# KiCad board Quiver_PT3_Main_PCB.kicad_pcb (continued)
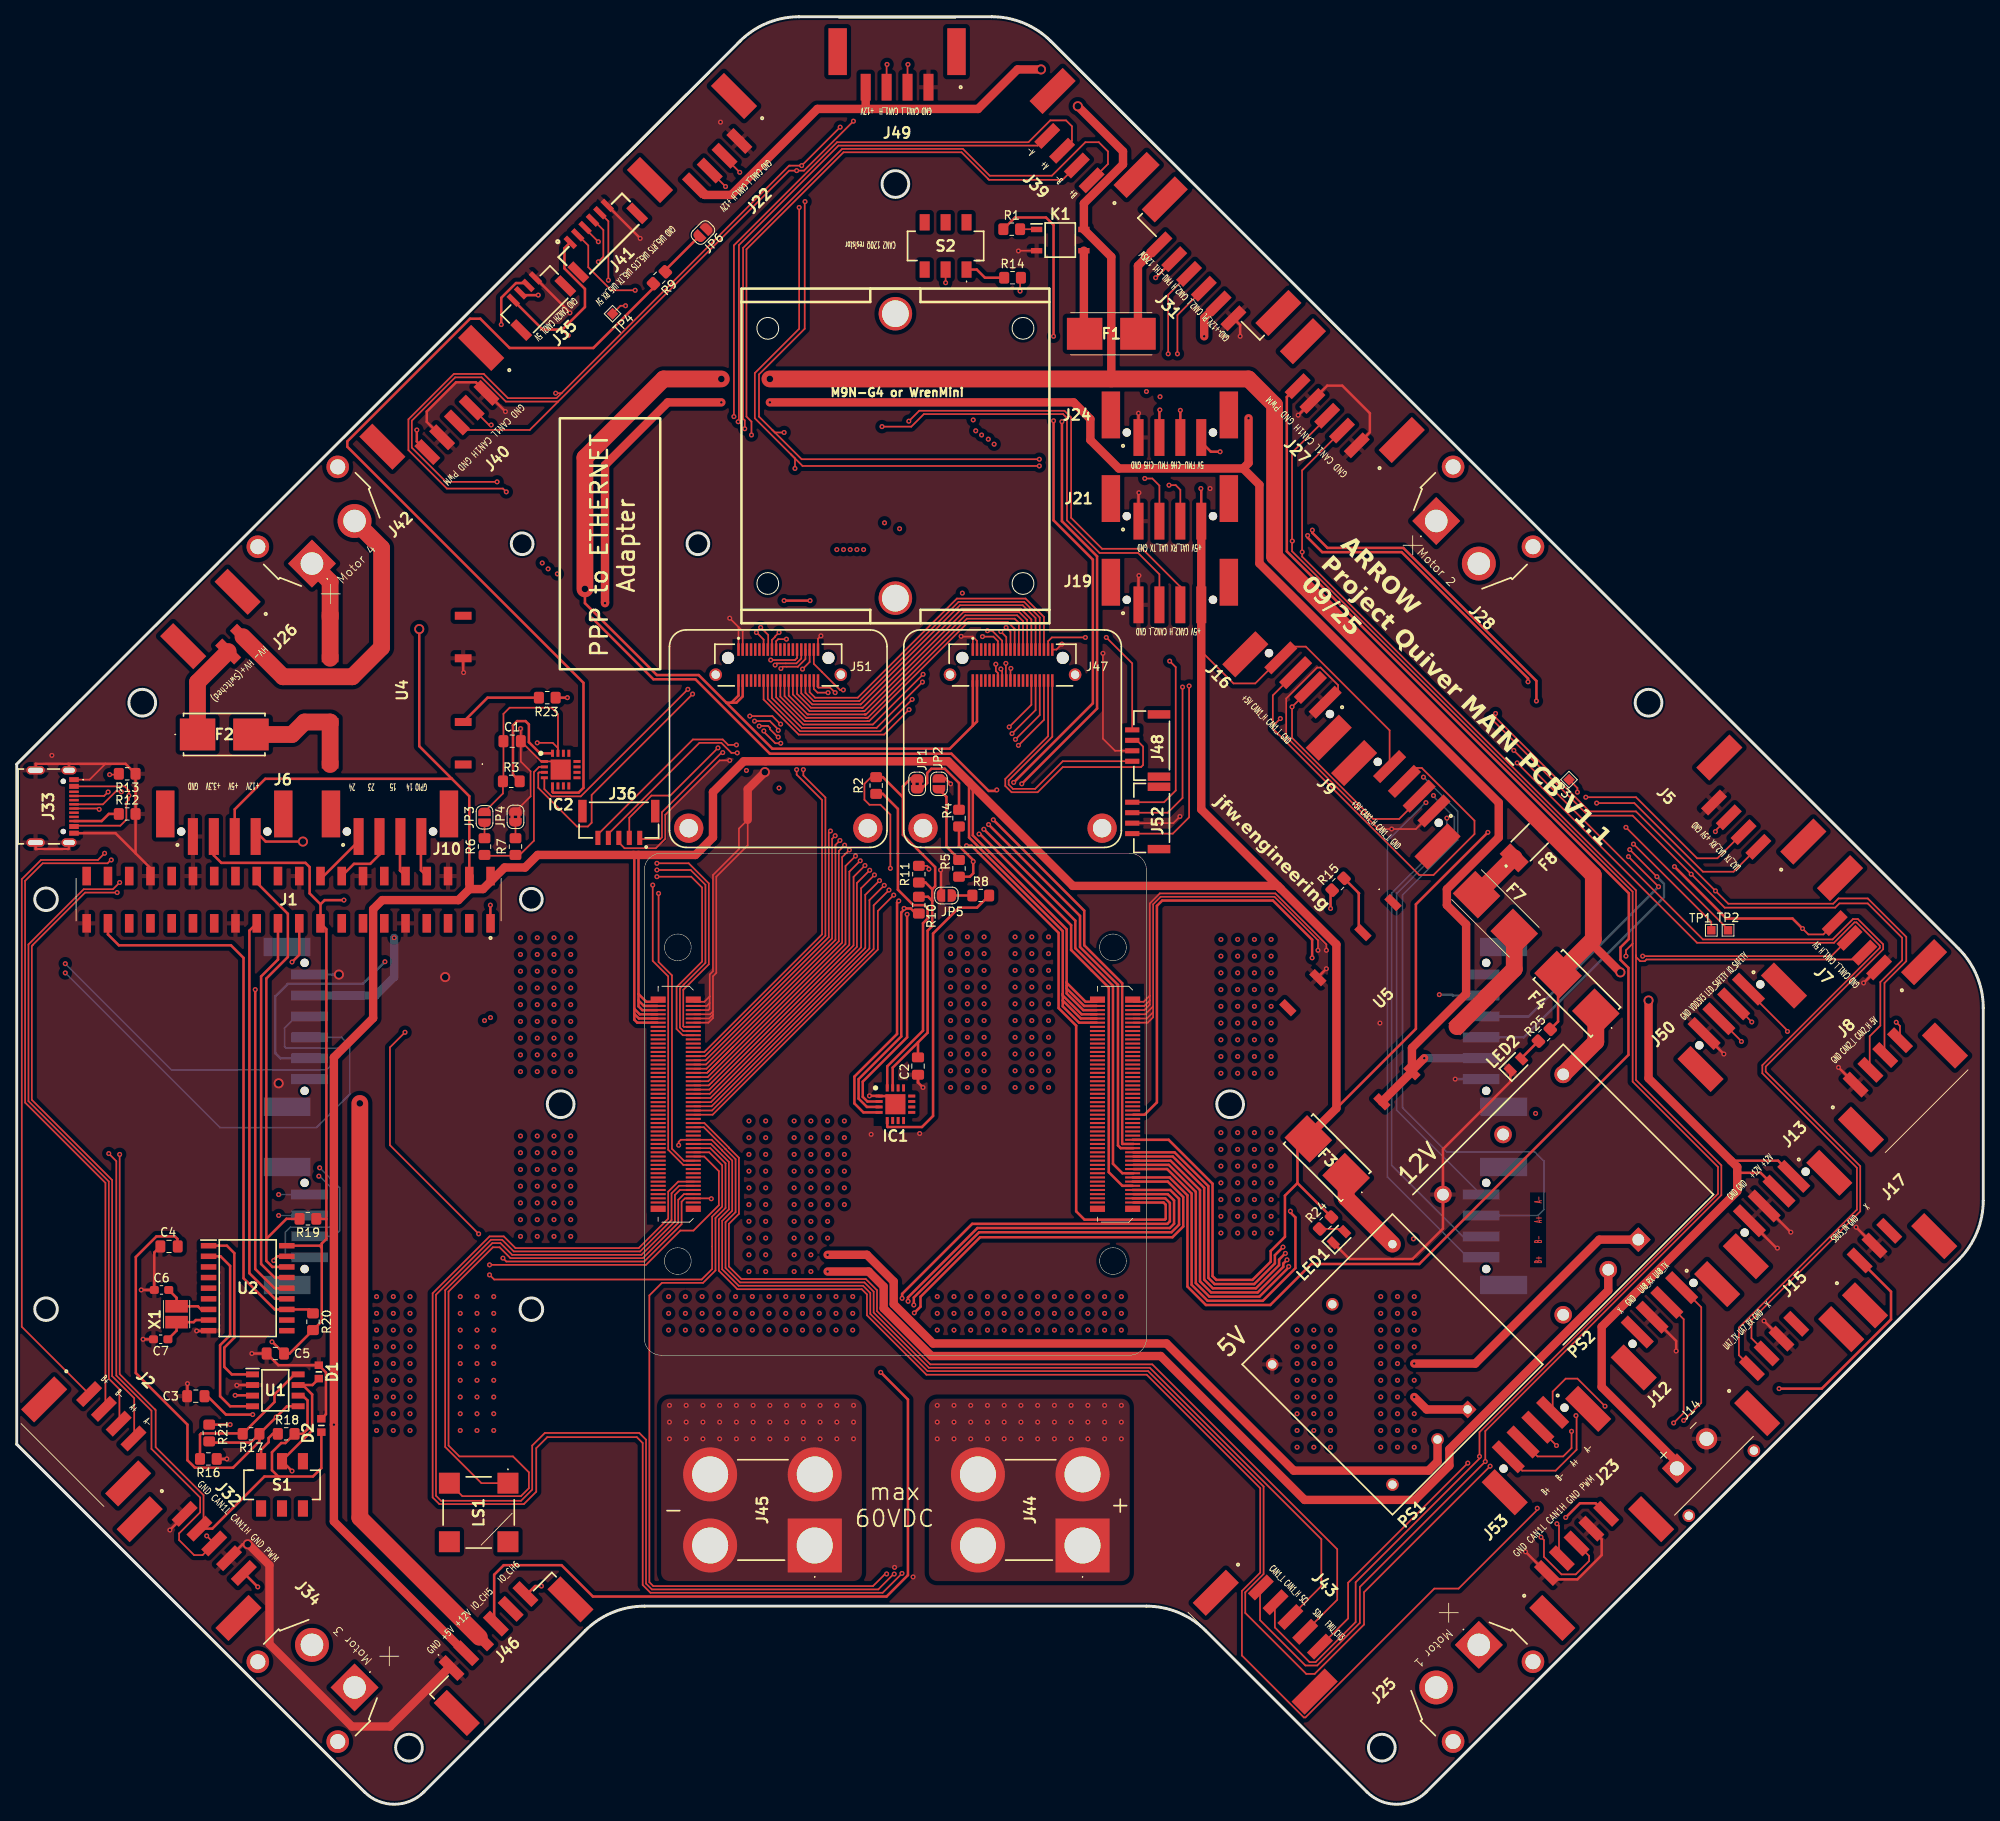
[diagram p0: board, top side]
## Routing (per net, layer and track width the routed paths; a pad name or vN(x,y) marks a point on that pad's centre or on a via; arc(x,y) is an arc through that point) (continued)
/CAN2_H: length 680.8
  Top w0.2: v1(106.6,165.33) 107.85,166.58 125.2,166.58 126,165.78 126,153.78 129.7,150.08 134.5,150.08 139.05,145.53 ; v1(192.6,113.28) v1(196.2,109.68) ; v1(137.6,173.38) 137.6,180.45 J31.4 ; v1(176.71,130.39) 176.71,129.92 187.95,118.68 193.5,118.68 v1(203,109.18) 204.53,107.65 217.07,107.65 217.7,108.28 221.2,108.28 225.8,103.68 225.8,100.78 223.2,98.18 223.2,89.65 J8.3 ; v1(104.8,108.68) 102.9,106.78 102.9,102.17 83.16,82.43 80.95,82.43 ; v1(111,181.88) S2.2
  Top w0.3: J19.3 139.05,145.53 ; 61.12,181.57 J35.3 60.82,181.85 59.66,181.85 57.9,180.08 v1(57.9,176.88)
  In2.Cu w0.2: 104.55,165.43 108,161.98 128.1,161.98 v1(135,168.88) 135.8,168.88 136,169.08 149.57,169.08 150.5,168.15 150.5,158.08 176.71,131.87 v1(176.71,130.39) ; 104.55,165.43 80.3,189.68 70.75,189.68 57.95,176.88 v1(57.9,176.88) 57.9,176.83 51.5,170.43 51.5,164.18 56.4,159.28 56.4,155.98 27,126.58 3.4,126.58 0.8,123.98 0.8,104.38 v1(5.8,99.38) ; 104.55,165.43 104.65,165.33 v1(106.6,165.33) ; v1(192.6,113.28) 113.75,113.28 112.15,114.88 111,114.88 v1(104.8,108.68) ; v1(196.2,109.68) 196.7,109.18 v1(203,109.18)
  In3.Cu w0.2: v1(106.6,165.33) 111,169.73 v1(111,181.88) ; v1(135,168.88) 135.8,168.88 137.6,170.68 v1(137.6,173.38) 137.6,170.48
  Bottom w0.2: J30.4 38.8,91.68 39.8,90.68 39.8,84.88 35.8,80.88 24.3,80.88 v1(5.8,99.38)
  Bottom w0.3: v1(196.2,109.68) 180.7,94.18 J29.4
/CAN2_L: length 678.3
  Top w0.2: v1(192.76,114.12) 195.99,110.88 v1(196,110.88) ; J19.2 136.55,147.03 134,149.58 129.4,149.58 125.5,153.48 125.5,165.72 125.03,166.18 108.4,166.18 106.9,164.68 v1(103.4,164.68) ; v1(176.1,129.88) 187.8,118.18 193.1,118.18 v1(200.1,111.18) 204.1,107.18 217.3,107.18 217.8,107.68 221.2,107.68 225.3,103.58 225.3,100.88 222.7,98.28 222.7,93.08 221.43,91.81 221.43,87.89 J8.2 ; v1(119.9,180.88) 119.9,182.38 R14.2 ; v1(138.7,173.38) 138.7,178.01 J31.3 ; 80.95,82.93 83.09,82.93 102.4,102.24 102.4,107.45 v1(104.23,109.28)
  Top w0.3: 59.94,180.96 J35.2 60.5,180.4 62.32,180.4 v1(62.32,180.41)
  In2.Cu w0.2: v1(200.1,111.18) 199.8,110.88 v1(196,110.88) ; v1(5.8,100.48) 5.8,109.08 3.9,110.98 3.9,123.46 6.62,126.18 27.2,126.18 56.8,155.78 56.8,159.53 51.9,164.43 51.9,170.03 62.25,180.38 ; v1(176.1,129.88) 176.1,131.88 150.1,157.88 150.1,167.98 149.4,168.68 137.05,168.68 v1(136.62,168.26) 135.18,168.26 128.4,161.48 107.8,161.48 102.8,166.48 ; 102.8,166.48 102.8,165.28 v1(103.4,164.68) ; 102.8,166.48 80,189.28 71.15,189.28 62.3,180.43 ; v1(104.23,109.28) 104.55,109.28 104.55,109.28 104.8,109.28 111.2,115.68 113.73,115.68 115.63,113.78 192.25,113.78 192.58,114.12 v1(192.76,114.12)
  In3.Cu w0.2: v1(136.62,168.26) 138.7,170.33 v1(138.7,173.38) ; v1(119.9,180.88) 113.8,180.88 111.6,178.68 111.6,169.48 106.8,164.68 v1(103.4,164.68)
  Bottom w0.2: v1(5.8,100.48) 18.5,87.78 37,87.78 38.6,89.38 38.6,90.08 38.3,90.38 32.2,90.38 32,90.58 32,92.78 33.4,94.18 J30.3
  Bottom w0.3: J29.3 180.1,91.68 196.85,108.43 196.85,110.03 v1(196,110.88)
/FMU_CH1: length 125.9
  Top w0.3: v1(136.1,182.48) 136.1,182.49 J31.5 ; 133.45,78.93 132.12,78.93 132.1,78.96 132.1,98.15 127.56,102.68 127.56,106.82 v1(116.7,117.68) ; v1(120.1,121.98) 129.1,130.98 129.1,149.18 124.9,153.38 v1(124.9,165.28)
  In2.Cu w0.3: v1(116.7,117.68) 116.7,118.58 v1(120.1,121.98) ; v1(136.1,182.48) 124.9,171.28 v1(124.9,165.28)
/FMU_CH2: length 132.6
  Top w0.3: v1(123.9,165.38) 123.9,153.48 128.6,148.78 128.6,131.61 v1(119.13,122.15) ; 133.45,78.43 131.92,78.43 131.6,78.75 131.6,97.94 127.06,102.48 127.06,106.19 v1(116.13,117.12) ; v1(123.9,175.48) 123.9,188.78 123,189.68 119.3,189.68 R1.1
  In2.Cu w0.3: v1(119.13,122.15) 116.05,119.06 116.05,117.2 v1(116.13,117.12) ; v1(123.9,165.38) v1(123.9,175.48)
/FMU_CH3: length 112.5
  Top w0.2: v1(173.4,40.78) 159.1,26.48 159.1,22.21 J43.5
  Top w0.3: 133.45,77.93 138.36,77.93 142.4,73.89 142.4,62.93 143.14,62.18 147.88,62.18 150.35,64.65 150.35,65.64 v1(151.32,66.61)
  In1.Cu w0.2: v1(166.9,67.58) 176.1,58.38 176.1,45.58 173.4,42.88 v1(173.4,40.78)
  In2.Cu w0.3: v1(151.32,66.61) 151.54,66.61 155.32,70.38 164.1,70.38 v1(166.9,67.58)
/FMU_CH4: length 110.5
  Top w0.3: v1(151.6,65.86) 150.85,65.11 150.85,64.45 148.09,61.68 142.94,61.68 141.9,62.72 141.9,73.68 138.15,77.43 133.45,77.43 ; R15.1 157,109.08 v1(157,107.08)
  In1.Cu w0.3: v1(181.5,82.58) v1(157,107.08)
  In2.Cu w0.3: v1(181.5,82.58) 181.5,76.58 170.77,65.85 151.6,65.85 v1(151.6,65.86)
/FMU_CH5: length 214.7
  Top w0.3: v1(151.8,65.08) 151.35,64.63 151.35,64.24 148.29,61.18 142.73,61.18 141.4,62.51 141.4,73.42 137.89,76.93 133.45,76.93 ; v1(154.83,152.31) 154.83,151.99 156.63,150.18 165.7,150.18 181.6,134.28 v1(181.6,131.88) ; J24.2 136.55,166.63 v1(136.6,166.68)
  In2.Cu w0.3: v1(154.83,152.31) 154.51,152.31 149.3,157.51 149.3,167.58 148.8,168.08 138,168.08 v1(136.6,166.68) ; v1(151.8,65.08) 170.79,65.08 205.65,99.94 205.65,107.84 v1(181.6,131.88)
/FMU_CH6: length 212.5
  Top w0.3: v1(152,64.28) 152,64.18 148.5,60.68 142.52,60.68 140.9,62.3 140.9,73.21 137.68,76.43 133.45,76.43 ; J24.3 v1(139.05,166.63) ; v1(154.26,151.67) 154.26,151.42 156,149.68 165.49,149.68 180.6,134.58 v1(180.6,134.18)
  In2.Cu w0.3: v1(180.6,134.18) 206.3,108.48 206.3,99.88 170.7,64.28 v1(152,64.28) ; v1(154.26,151.67) 154.02,151.67 148.8,156.88 148.8,167.28 148.8,167.29 148.51,167.58 140,167.58 v1(139.05,166.63)
/FMU_CH7: length 79.4
  Top w0.3: 133.45,75.93 137.47,75.93 140.4,73 140.4,62.1 142.31,60.18 148.9,60.18 152.8,64.08 152.8,70.15 152.2,70.75 v1(152.2,70.9)
  In2.Cu w0.3: v1(152.2,70.9) 152.05,71.05 152.05,78.83 v1(170,96.78)
  Bottom w0.3: v1(170,96.78) 171.5,96.78 171.6,96.68 J29.5
/FMU_CH8: length 188.8
  Top w0.3: v1(115.57,116.55) 126.5,105.62 126.5,102.33 131,97.83 131,76.56 132.12,75.43 133.45,75.43 ; v1(68.69,141.67) 68.89,141.67 76.08,134.48 81.1,134.48 90,125.58 111.7,125.58 116.15,121.13 116.99,121.13 v1(117.11,121.25)
  In1.Cu w0.3: v1(68.69,141.67) 45.95,118.93 45.95,102.67 v1(44,100.72)
  In2.Cu w0.3: v1(117.11,121.25) 115.48,119.62 115.48,116.64 v1(115.57,116.55)
  Bottom w0.3: J30.5 31.5,89.18 30.9,89.78 30.9,96.58 32.4,98.08 41.36,98.08 v1(44,100.72)
/HV+: length 52.6
  Top w1: PS1.1 168.49,47.19 v1(167,48.68) ; PS2.1 189.11,67.49 174.3,52.68 v1(167,52.68)
  Top w2: U4.6 U4.5 37.45,146.14 34.98,148.61
  vias: v1(60.2,103.58) v1(60.2,101.58) v1(60.2,99.58) v1(60.2,97.58) v1(60.2,95.58) v1(60.2,93.58) v1(60.2,91.58) v1(60.2,89.58) v1(60.2,87.58) v1(60.2,79.88) v1(60.2,77.88) v1(60.2,75.88) v1(60.2,73.88) v1(60.2,71.88) v1(60.2,69.88) v1(60.2,67.88) v1(62.2,103.58) v1(62.2,101.58) v1(62.2,99.58) v1(62.2,97.58) v1(62.2,95.58) v1(62.2,93.58) v1(62.2,91.58) v1(62.2,89.58) v1(62.2,87.58) v1(62.2,79.88) v1(62.2,77.88) v1(62.2,75.88) v1(62.2,73.88) v1(62.2,71.88) v1(62.2,69.88) v1(62.2,67.88) v1(64.2,103.58) v1(64.2,101.58) v1(64.2,99.58) v1(64.2,97.58) v1(64.2,95.58) v1(64.2,93.58) v1(64.2,91.58) v1(64.2,89.58) v1(64.2,87.58) v1(64.2,79.88) v1(64.2,77.88) v1(64.2,75.88) v1(64.2,73.88) v1(64.2,71.88) v1(64.2,69.88) v1(64.2,67.88) v1(66.2,103.58) v1(66.2,101.58) v1(66.2,99.58) v1(66.2,97.58) v1(66.2,95.58) v1(66.2,93.58) v1(66.2,91.58) v1(66.2,89.58) v1(66.2,87.58) v1(66.2,79.88) v1(66.2,77.88) v1(66.2,75.88) v1(66.2,73.88) v1(66.2,71.88) v1(66.2,69.88) v1(66.2,67.88) v1(110,60.68) v1(110,58.68) v1(110,56.68) v1(110,47.68) v1(110,45.68) v1(110,43.68) v1(111.6,103.68) v1(111.6,101.68) v1(111.6,99.68) v1(111.6,97.68) v1(111.6,95.68) v1(111.6,93.68) v1(111.6,91.68) v1(111.6,89.68) v1(111.6,87.68) v1(111.6,85.68) v1(112,60.68) v1(112,58.68) v1(112,56.68) v1(112,47.68) v1(112,45.68) v1(112,43.68) v1(113.6,103.68) v1(113.6,101.68) v1(113.6,99.68) v1(113.6,97.68) v1(113.6,95.68) v1(113.6,93.68) v1(113.6,91.68) v1(113.6,89.68) v1(113.6,87.68) v1(113.6,85.68) v1(114,60.68) v1(114,58.68) v1(114,56.68) v1(114,47.68) v1(114,45.68) v1(114,43.68) v1(115.6,103.68) v1(115.6,101.68) v1(115.6,99.68) v1(115.6,97.68) v1(115.6,95.68) v1(115.6,93.68) v1(115.6,91.68) v1(115.6,89.68) v1(115.6,87.68) v1(115.6,85.68) v1(116,60.68) v1(116,58.68) v1(116,56.68) v1(116,47.68) v1(116,45.68) v1(116,43.68) v1(118,60.68) v1(118,58.68) v1(118,56.68) v1(118,47.68) v1(118,45.68) v1(118,43.68) v1(119.3,103.68) v1(119.3,101.68) v1(119.3,99.68) v1(119.3,97.68) v1(119.3,95.68) v1(119.3,93.68) v1(119.3,91.68) v1(119.3,89.68) v1(119.3,87.68) v1(119.3,85.68) v1(120,60.68) v1(120,58.68) v1(120,56.68) v1(120,47.68) v1(120,45.68) v1(120,43.68) v1(121.3,103.68) v1(121.3,101.68) v1(121.3,99.68) v1(121.3,97.68) v1(121.3,95.68) v1(121.3,93.68) v1(121.3,91.68) v1(121.3,89.68) v1(121.3,87.68) v1(121.3,85.68) v1(122,60.68) v1(122,58.68) v1(122,56.68) v1(122,47.68) v1(122,45.68) v1(122,43.68) v1(123.3,103.68) v1(123.3,101.68) v1(123.3,99.68) v1(123.3,97.68) v1(123.3,95.68) v1(123.3,93.68) v1(123.3,91.68) v1(123.3,89.68) v1(123.3,87.68) v1(123.3,85.68) v1(124,60.68) v1(124,58.68) v1(124,56.68) v1(124,47.68) v1(124,45.68) v1(124,43.68) v1(126,60.68) v1(126,58.68) v1(126,56.68) v1(126,47.68) v1(126,45.68) v1(126,43.68) v1(128,60.68) v1(128,58.68) v1(128,56.68) v1(128,47.68) v1(128,45.68) v1(128,43.68) v1(130,60.68) v1(130,58.68) v1(130,56.68) v1(130,47.68) v1(130,45.68) v1(130,43.68) v1(132,60.68) v1(132,58.68) v1(132,56.68) v1(132,47.68) v1(132,45.68) v1(132,43.68) v1(153,56.68) v1(153,54.68) v1(153,52.68) v1(153,50.68) v1(153,48.68) v1(153,46.68) v1(153,44.68) v1(153,42.68) v1(155,56.68) v1(155,54.68) v1(155,52.68) v1(155,50.68) v1(155,48.68) v1(155,46.68) v1(155,44.68) v1(155,42.68) v1(157,56.68) v1(157,54.68) v1(157,52.68) v1(157,50.68) v1(157,48.68) v1(157,46.68) v1(157,44.68) v1(157,42.68) v1(163,60.68) v1(163,58.68) v1(163,56.68) v1(163,54.68) v1(163,52.68) v1(163,50.68) v1(163,48.68) v1(163,46.68) v1(163,44.68) v1(163,42.68) v1(165,60.68) v1(165,58.68) v1(165,56.68) v1(165,54.68) v1(165,52.68) v1(165,50.68) v1(165,48.68) v1(165,46.68) v1(165,44.68) v1(165,42.68) v1(167,60.68) v1(167,58.68) v1(167,56.68) v1(167,54.68) v1(167,50.68) v1(167,46.68) v1(167,44.68) v1(167,42.68)
/HV-: length 245.2
  Top w1: v1(96.9,63.68) 101.8,63.68 103.6,61.88 103.6,59.28 109.3,53.58 136.7,53.58 153.9,36.38 167.1,36.38 171.2,40.48 171.2,42.44 190.19,61.43 PS2.2 ; PS1.2 169.79,40.97 168.7,39.88 152.6,39.88 137.4,55.08 109.5,55.08 104.8,59.78 104.8,62.48 101.6,65.68 v1(96.9,65.68)
  Top w2: 40.07,153.7 43.6,150.17 43.6,138.28 40.1,134.78 31.82,134.78 J26.1
  vias: v1(43,60.68) v1(43,58.68) v1(43,56.68) v1(43,54.68) v1(43,52.68) v1(43,50.68) v1(43,48.68) v1(43,46.68) v1(43,44.68) v1(45,60.68) v1(45,58.68) v1(45,56.68) v1(45,54.68) v1(45,52.68) v1(45,50.68) v1(45,48.68) v1(45,46.68) v1(45,44.68) v1(47,60.68) v1(47,58.68) v1(47,56.68) v1(47,54.68) v1(47,52.68) v1(47,50.68) v1(47,48.68) v1(47,46.68) v1(47,44.68) v1(53,60.68) v1(53,58.68) v1(53,56.68) v1(53,54.68) v1(53,52.68) v1(53,50.68) v1(53,48.68) v1(53,46.68) v1(53,44.68) v1(55,60.68) v1(55,58.68) v1(55,56.68) v1(55,54.68) v1(55,52.68) v1(55,50.68) v1(55,48.68) v1(55,46.68) v1(55,44.68) v1(57,60.68) v1(57,58.68) v1(57,56.68) v1(57,54.68) v1(57,52.68) v1(57,50.68) v1(57,48.68) v1(57,46.68) v1(57,44.68) v1(77.9,60.68) v1(77.9,58.68) v1(77.9,56.68) v1(78,47.68) v1(78,45.68) v1(78,43.68) v1(79.9,60.68) v1(79.9,58.68) v1(79.9,56.68) v1(80,47.68) v1(80,45.68) v1(80,43.68) v1(81.9,60.68) v1(81.9,58.68) v1(81.9,56.68) v1(82,47.68) v1(82,45.68) v1(82,43.68) v1(83.9,60.68) v1(83.9,58.68) v1(83.9,56.68) v1(84,47.68) v1(84,45.68) v1(84,43.68) v1(85.9,60.68) v1(85.9,58.68) v1(85.9,56.68) v1(86,47.68) v1(86,45.68) v1(86,43.68) v1(87.5,81.68) v1(87.5,79.68) v1(87.5,77.68) v1(87.5,75.68) v1(87.5,73.68) v1(87.5,71.68) v1(87.5,69.68) v1(87.5,67.68) v1(87.5,65.68) v1(87.5,63.68) v1(87.9,60.68) v1(87.9,58.68) v1(87.9,56.68) v1(88,47.68) v1(88,45.68) v1(88,43.68) v1(89.5,81.68) v1(89.5,79.68) v1(89.5,77.68) v1(89.5,75.68) v1(89.5,73.68) v1(89.5,71.68) v1(89.5,69.68) v1(89.5,67.68) v1(89.5,65.68) v1(89.5,63.68) v1(89.9,60.68) v1(89.9,58.68) v1(89.9,56.68) v1(90,47.68) v1(90,45.68) v1(90,43.68) v1(91.9,60.68) v1(91.9,58.68) v1(91.9,56.68) v1(92,47.68) v1(92,45.68) v1(92,43.68) v1(92.9,81.68) v1(92.9,79.68) v1(92.9,77.68) v1(92.9,75.68) v1(92.9,73.68) v1(92.9,71.68) v1(92.9,69.68) v1(92.9,67.68) v1(92.9,65.68) v1(92.9,63.68) v1(93.9,60.68) v1(93.9,58.68) v1(93.9,56.68) v1(94,47.68) v1(94,45.68) v1(94,43.68) v1(94.9,81.68) v1(94.9,79.68) v1(94.9,77.68) v1(94.9,75.68) v1(94.9,73.68) v1(94.9,71.68) v1(94.9,69.68) v1(94.9,67.68) v1(94.9,65.68) v1(94.9,63.68) v1(95.9,60.68) v1(95.9,58.68) v1(95.9,56.68) v1(96,47.68) v1(96,45.68) v1(96,43.68) v1(96.9,81.68) v1(96.9,79.68) v1(96.9,77.68) v1(96.9,75.68) v1(96.9,73.68) v1(96.9,71.68) v1(96.9,69.68) v1(96.9,67.68) v1(97.9,60.68) v1(97.9,58.68) v1(97.9,56.68) v1(98,47.68) v1(98,45.68) v1(98,43.68) v1(98.9,81.68) v1(98.9,79.68) v1(98.9,77.68) v1(98.9,75.68) v1(98.9,73.68) v1(98.9,71.68) v1(99.9,60.68) v1(99.9,58.68) v1(99.9,56.68) v1(100,47.68) v1(100,45.68) v1(100,43.68) v1(143.9,103.38) v1(143.9,101.38) v1(143.9,99.38) v1(143.9,97.38) v1(143.9,95.38) v1(143.9,93.38) v1(143.9,91.38) v1(143.9,89.38) v1(143.9,87.38) v1(143.9,80.28) v1(143.9,78.28) v1(143.9,76.28) v1(143.9,74.28) v1(143.9,72.28) v1(143.9,70.28) v1(143.9,68.28) v1(145.9,103.38) v1(145.9,101.38) v1(145.9,99.38) v1(145.9,97.38) v1(145.9,95.38) v1(145.9,93.38) v1(145.9,91.38) v1(145.9,89.38) v1(145.9,87.38) v1(145.9,80.28) v1(145.9,78.28) v1(145.9,76.28) v1(145.9,74.28) v1(145.9,72.28) v1(145.9,70.28) v1(145.9,68.28) v1(147.9,103.38) v1(147.9,101.38) v1(147.9,99.38) v1(147.9,97.38) v1(147.9,95.38) v1(147.9,93.38) v1(147.9,91.38) v1(147.9,89.38) v1(147.9,87.38) v1(147.9,80.28) v1(147.9,78.28) v1(147.9,76.28) v1(147.9,74.28) v1(147.9,72.28) v1(147.9,70.28) v1(147.9,68.28) v1(149.9,103.38) v1(149.9,101.38) v1(149.9,99.38) v1(149.9,97.38) v1(149.9,95.38) v1(149.9,93.38) v1(149.9,91.38) v1(149.9,89.38) v1(149.9,87.38) v1(149.9,80.28) v1(149.9,78.28) v1(149.9,76.28) v1(149.9,74.28) v1(149.9,72.28) v1(149.9,70.28) v1(149.9,68.28)
/I2C1_SCL_GPS1_MAG_LED: length 233.4
  Top w0.2: 80.95,77.43 82.15,77.43 83.9,75.68 83.9,71.61 80.87,68.58 79.3,68.58 75.2,64.48 v1(56.5,64.48) ; v1(80.77,132.72) 68.7,120.65 68.7,117.33 68.25,116.88 66.95,116.88 62.32,121.51 62.32,123.26 62.43,123.36 IC2.3
  Top w0.3: 106.18,107.08 106.84,107.08 107.44,106.48 R10.2 ; 106.18,107.08 106.17,107.1 v1(106.04,107.1) ; 106.18,107.08 105.7,106.6 105.7,91.78 100.6,86.68 100.6,84.36 101.6,83.36 IC1.3
  In1.Cu w0.2: v1(87.2,123.58) 87.2,126.28 v1(80.77,132.72) ; v1(106.04,107.1) 104.49,107.1 103.8,107.78 66.6,107.78 63.7,110.68 59.5,110.68 57.2,108.38 57.2,106.98 56.62,106.4 v1(56.62,94.04)
  In2.Cu w0.2: v1(56.5,64.48) 56.5,93.92 v1(56.62,94.04) ; v1(106.04,107.1) 101.89,107.1 87.2,121.78 v1(87.2,123.58)
/I2C1_SDA_GPS1_MAG_LED: length 240.5
  Top w0.2: IC2.4 63.05,121.35 63.91,120.48 67.4,120.48 v1(80.2,133.28) ; R11.2 108.8,112.18 109,111.98 v1(109,111.78) ; v1(56.5,63.28) 57.05,62.73 81.85,62.73 83.1,63.98 83.1,70.25 84.3,71.45 84.3,76.38 82.75,77.93 80.95,77.93
  Top w0.3: v1(105.4,107.98) 105.2,107.78 105.2,92.08 100.1,86.98 100.1,83.78 101.18,82.71 IC1.4
  In1.Cu w0.2: v1(91.1,121.48) 91.1,123.48 81.27,133.32 80.23,133.32 v1(80.2,133.28) ; v1(55.9,93.68) 55.9,107.88 59.1,111.08 63.87,111.08 66.77,108.18 104,108.18 104.2,107.98 v1(105.4,107.98)
  In2.Cu w0.2: v1(56.5,63.28) 55.9,63.88 v1(55.9,93.68) ; v1(91.1,121.48) 91.1,118.52 101.63,107.98 v1(105.4,107.98) 109,111.58 v1(109,111.78)
/I2C2_SCL: length 117
  Top w0.2: J43.3 155.9,26.08 155.9,31.68 135.4,52.18 109,52.18 102.4,58.79 102.4,61.28 101.3,62.38 86.43,62.38 84.7,64.12 84.7,69.58 85.9,70.78 85.9,77.12 84.7,78.32 84.7,78.34 82.11,80.93 80.95,80.93
/I2C2_SDA: length 120.2
  Top w0.2: 80.95,81.43 82.18,81.43 85.1,78.51 85.1,78.48 86.3,77.28 86.3,70.58 85.1,69.38 85.1,64.28 86.6,62.78 101.47,62.78 102.8,61.45 102.8,58.95 109.17,52.58 135.7,52.58 157.8,30.48 157.8,24.45 J43.4
/IO_CH1: length 182.5
  Top w0.3: J4.85 137.76,74.93 139.9,72.8 139.9,61.89 142.11,59.68 149.8,59.68 154.7,64.58 167.6,64.58 192.6,89.58 192.6,99.98 191.65,100.93 191.65,102.43 192.65,103.43 192.65,108.9 151.77,149.77 151.77,168.23 J27.5
/IO_CH2: length 158.5
  Top w0.3: v1(28.8,25.98) J32.5 ; J4.87 137.55,74.43 139.4,72.58 139.4,69.07 138.11,67.78 115.12,67.78 108,60.67 108,59.48 v1(107.26,58.74)
  In2.Cu w0.3: v1(107.26,58.74) 104,55.48 104,48.28 102.8,47.08 102.8,26.57 101.66,25.43 29.35,25.43 v1(28.8,25.98)
/IO_CH3: length 196.6
  Top w0.3: J4.89 132.12,73.93 130.5,75.56 130.5,97.62 126,102.13 126,102.13 126,105.08 115.1,115.98 v1(115,115.98) ; v1(47.81,164.28) 47.81,162.9 J40.5
  In1.Cu w0.3: v1(115,115.98) 114.92,116.07 114.92,133.89 115.3,134.27 115.3,138.28 114.75,138.83 114.75,159.61 117.45,162.31 117.45,164.53 116.5,165.48 v1(114.3,165.48)
  In2.Cu w0.3: v1(114.3,165.48) 113.8,165.98 104.7,165.98 80.55,190.13 70.23,190.13 47.8,167.7 47.8,164.29 v1(47.81,164.28)
/IO_CH4: length 166.5
  Top w0.3: J23.5 188.67,35.98 186.8,35.98 v1(185.1,34.28) ; v1(107.2,59.68) 107.2,60.57 115.01,68.38 138,68.38 138.9,69.28 138.9,72.38 137.84,73.43 J4.91
  In2.Cu w0.3: v1(107.2,59.68) 107.23,59.68 108,58.92 108,26.48 108.85,25.64 108.89,25.68 154.73,25.68 155.73,26.68 178.46,26.68 185.1,33.32 v1(185.1,34.28)
/IO_CH5: length 137.9
  Top w0.3: v1(106.52,60.12) 106.5,60.14 106.5,60.58 114.8,68.88 137.79,68.88 138.3,69.39 138.3,72.18 137.55,72.93 133.45,72.93 ; v1(103.25,51.63) 106.5,48.38 106.5,27.39 103.94,24.83 68.85,24.83 65.1,28.58 58.2,28.58 57.05,27.43 57.05,21.73
  In2.Cu w0.3: v1(106.52,60.12) 106.5,60.11 106.5,59.37 102.8,55.68 102.8,52.08 v1(103.25,51.63)
/IO_CH6: length 120.3
  Top w0.3: v1(62.7,26.08) 61.95,26.08 60.99,25.13 J46.6 ; v1(105.8,60.48) 105.8,61.01 114.18,69.38 137.5,69.38 137.8,69.68 137.8,71.88 137.25,72.43 J4.95
  In2.Cu w0.3: v1(62.7,26.08) 101.6,26.08 102.3,26.78 102.3,47.29 102.3,55.88 105.8,59.38 v1(105.8,60.48)
/IO_CH7: length 153.4
  Top w0.3: v1(113.5,114.58) 114.09,114.58 124.5,104.18 124.5,95.18 126.6,93.08 126.6,70.88 127.6,69.88 137.2,69.88 137.3,69.98 137.3,71.68 137.04,71.93 133.45,71.93 ; v1(65.8,132.28) R23.2 ; v1(94.8,143.88) v1(91.7,143.88)
  In1.Cu w0.3: v1(113,144.78) 113.5,144.28 113.5,139.28 114.7,138.08 114.7,134.38 113.5,133.18 v1(113.5,114.58)
  In2.Cu w0.3: v1(113,144.78) 110.7,147.08 98,147.08 v1(94.8,143.88) ; v1(65.8,132.28) 67.8,132.28 79.4,143.88 v1(91.7,143.88)
/IO_PPM_INPUT_AND_SBUS_INPUT: length 162.9
  Top w0.3: 133.45,82.43 134.78,82.43 136.25,83.91 136.25,107.4 136.89,108.03 150.11,108.03 154.8,103.35 v1(154.8,101.18) ; v1(210.6,49.68) 215.7,49.68 223.98,57.96 223.98,61.27 J17.1
  In1.Cu w0.3: v1(154.8,101.18) 154.8,83.18 188.3,49.68 v1(210.6,49.68)
/IO_SAFETY_SWITCH_IN: length 266.9
  Top w0.2: v1(211.6,92.38) 211.6,92.48 206.94,97.14 J50.1 ; 80.95,78.43 82.88,78.43 84.7,76.62 84.7,71.28 83.5,70.08 83.5,63.82 82.01,62.33 77.1,62.33 75.6,60.83 75.6,26.55 76.07,26.08 102.33,26.08 103.77,27.53 v1(103.95,27.53)
  In2.Cu w0.2: v1(103.95,27.53) 107.1,24.38 155.2,24.38 156.2,25.38 179.7,25.38 225.9,71.58 225.9,78.08 v1(211.6,92.38)
/IO_VDD_3V3: length 521.8
  Top w0.2: v1(206.1,91.18) 206.1,91.21 J50.3 ; v1(62.2,126.88) 64.05,126.88 64.68,126.26 IC2.15 64.68,130.31 63.9,131.08 58.9,131.08 58.16,130.35 C1.1 58.16,122.35 R3.1 58.1,120.83 JP3.2 ; v1(79.1,78.78) 79.1,79.18 79.35,79.43 83.04,79.43 84.3,78.18 84.3,78.15 85.5,76.95 85.5,70.95 84.3,69.75 84.3,63.95 86.27,61.98 101.13,61.98 102,61.12 102,58.62 108.84,51.78 135.2,51.78 149,37.98 149,27.53 146.81,25.34 146.81,22.87 154.1,15.58 155.1,15.58 161,21.48 161,25.35 v1(176.07,40.42) ; v1(104.4,111.88) 104.4,118.3 103.21,119.48 101.9,119.48 101.3,120.08 101.3,121.98 102.1,122.78 R2.1 ; v1(58.1,65.28) 58.5,64.88 74.99,64.88 79.45,69.34 79.45,72.03 79.85,72.43 82.95,72.43 v1(83,72.38) ; v1(55.2,68.18) 44.6,78.78 44.6,90.48 v1(46.4,92.28)
  Top w0.3: 107.7,91.08 104.68,88.06 IC1.15 ; 107.7,91.08 C2.1 ; 107.7,91.08 108.85,92.23 108.85,104.43 109.4,104.98 109.4,107.98 ; R10.1 108.9,108.48 109.4,107.98 ; R2.1 103.5,122.78 105.9,120.38 ; 109.4,109.38 109.75,109.73 109.75,112.03 105.9,115.88 105.9,120.38 ; 109.4,109.38 108.6,110.18 R11.1 ; 109.4,109.38 109.4,107.98 ; JP1.2 106.84,122.63 105.9,121.69 105.9,120.38
  In1.Cu w0.2: v1(62.2,126.88) 60.7,126.88 59.1,125.28 53,125.28 46.4,118.68 v1(46.4,92.28) 55.71,92.28 57.22,93.79 57.22,106.43 57.6,106.82 57.6,108.22 59.67,110.28 63.53,110.28 66.43,107.38 103.5,107.38 105.1,105.78 106.65,105.78 107,106.13 107,109.28 v1(104.4,111.88) ; v1(58.1,65.28) v1(55.2,68.18) ; v1(79.1,78.78) 83.4,74.48 83.4,72.68 83.1,72.38 v1(83,72.38)
  In2.Cu w0.2: v1(176.07,40.42) 177.1,41.45 177.1,58.68 206.1,87.68 v1(206.1,91.18)
/N_IO_LED_SAFETY: length 240.5
  Top w0.2: 80.95,78.93 82.95,78.93 85.1,76.78 85.1,71.11 83.9,69.91 83.9,63.79 86.12,61.57 100.98,61.57 101.6,60.95 101.6,58.45 108.7,51.35 135.03,51.35 148.6,37.78 148.6,27.69 146.41,25.5 146.41,17.78 153.81,10.38 154,10.38 169.4,25.78 172.3,25.78 181.7,35.18 v1(181.7,35.38) ; v1(207.33,93.52) J50.2
  In2.Cu w0.2: v1(207.33,93.52) 207.4,93.45 207.4,88.38 177.5,58.48 177.5,45.88 181.7,41.68 v1(181.7,35.38)
/UART5_CTS_TEL2: length 130.9
  Top w0.2: v1(98.37,115.21) 97.84,114.68 97.84,103.33 82.44,87.93 80.95,87.93 ; v1(69.5,184.38) 70.1,184.98 70.1,188.18 68.92,189.37 J41.4
  In1.Cu w0.2: v1(98.37,115.21) 98.82,115.66 98.82,130.07 101.5,132.75 101.5,139.05 99.6,140.95 v1(99.6,149.98)
  In2.Cu w0.2: v1(69.5,184.38) 80.7,173.18 90.9,173.18 99.6,164.48 v1(99.6,149.98)
/UART5_RTS_TEL2: length 130.1
  Top w0.2: v1(70.7,182.18) 70.7,189.24 J41.5 ; 80.95,88.43 82.37,88.43 97.44,103.5 97.44,115.41 v1(97.8,115.78)
  In1.Cu w0.2: v1(97.8,115.78) 98.4,116.38 98.4,130.22 101.1,132.91 101.1,138.89 98.8,141.18 v1(98.8,149.98)
  In2.Cu w0.2: v1(70.7,182.18) 80.2,172.68 90.67,172.68 98.8,164.55 v1(98.8,149.98)
/UART5_RX_TEL2: length 136
  Top w0.2: 85.63,90.56 82.58,87.51 ; 85.63,90.56 98.24,103.17 98.24,113.95 v1(98.93,114.65) ; 85.63,90.56 82.5,87.43 80.95,87.43 ; J41.2 68.3,186.33 68.3,183.73 71.05,180.98 v1(73.9,180.98) ; v1(100.4,149.98) 100.4,149.92
  In1.Cu w0.2: v1(98.93,114.65) 99.22,114.93 99.22,129.9 101.9,132.58 101.9,139.28 100.4,140.78 v1(100.4,149.98)
  In2.Cu w0.2: v1(73.9,180.98) 81.1,173.78 90.9,173.78 100.4,164.28 v1(100.4,149.98)
/UART5_TX_TEL2: length 131.3
  Top w0.2: v1(69.5,186.78) 67.92,188.36 J41.3 ; v1(99.5,114.08) 98.64,113.22 98.64,103 82.57,86.93 80.95,86.93
  In1.Cu w0.2: v1(101.2,149.98) 101.19,149.97 101.19,140.59 102.3,139.48 102.3,132.41 99.62,129.73 99.62,114.2 v1(99.5,114.08)
  In2.Cu w0.2: v1(69.5,186.78) 81.8,174.48 91.5,174.48 101.19,164.79 101.19,149.99 v1(101.2,149.98)
/UART7_RX_TEL1: length 250.7
  Top w0.2: v1(178.9,125.98) 201.5,103.38 216.99,103.38 219.43,105.82 220.01,105.82 223.04,102.8 223.04,102.22 209,88.18 209,87.58 220.3,76.28 220.3,70.88 207.3,57.88 207.3,55.71 J15.2 209.08,53.9 ; 80.95,89.93 82.18,89.93 96.24,103.99 96.24,120.05 93.2,123.08 v1(93.2,123.68)
  In2.Cu w0.2: v1(178.9,125.98) 94.33,125.98 93.2,124.85 v1(93.2,123.68)
/UART7_TX_TEL1: length 251.7
  Top w0.2: 179.4,124.38 200.8,102.98 217.16,102.98 219.6,105.42 219.85,105.42 222.64,102.63 222.64,102.38 208.6,88.34 208.6,87.38 219.9,76.08 219.9,71.08 205.8,56.98 205.8,53.68 J15.1 ; v1(94,123.68) 94,122.98 96.64,120.35 96.64,103.83 82.24,89.43 80.95,89.43
  In2.Cu w0.2: v1(94,123.68) 94,125.08 94.5,125.58 178.2,125.58 v1(179.3,124.48)
/UART8_RX_GPS2: length 263
  Top w0.2: J12.2 199.2,57.98 199.2,46.78 v1(198,45.58) ; v1(105.79,27.6) 103.47,25.28 75.73,25.28 74.8,26.22 74.8,43.18 74.1,43.88 63.4,43.88 62.08,42.57 62.08,37.37 60.6,35.88 50.5,35.88 49.7,36.68 49.7,61.08 56.5,67.88 58.2,67.88 59.6,66.48 74.32,66.48 77.85,70.01 77.85,73.23 79.05,74.43 80.95,74.43
  In2.Cu w0.2: v1(198,45.58) 178.6,26.18 155.87,26.18 154.87,25.18 108.2,25.18 v1(105.79,27.6)
/UART8_TX_GPS2: length 265.3
  Top w0.2: J12.1 201.3,59.42 201.3,47.98 v1(199.2,45.88) ; 80.95,73.93 79.15,73.93 78.25,73.03 78.25,69.84 74.49,66.08 59.4,66.08 58,67.48 56.67,67.48 50.1,60.91 50.1,36.88 50.7,36.28 60.27,36.28 61.6,37.62 61.6,42.88 63.1,44.38 74.4,44.38 75.2,43.58 75.2,26.38 75.9,25.68 102.95,25.68 104.79,27.52 v1(104.86,27.52)
  In2.Cu w0.2: v1(104.86,27.52) 107.6,24.78 155.03,24.78 156.03,25.78 179.1,25.78 v1(199.2,45.88)
/USART1_RX_GPS1: length 143.2
  Top w0.2: 80.95,76.93 79.72,76.93 78.3,78.36 78.3,99.08 76.7,100.68 v1(76.7,108.88) ; v1(137.7,157.68) 138.5,157.68 139.05,157.13 J21.3
  In1.Cu w0.2: v1(76.7,108.88) 77.1,109.28 88.97,109.28 97.5,117.82 97.5,130.45 100.29,133.24 100.29,138.52 97.2,141.62 97.2,151.08 98.6,152.48 v1(105.5,152.48)
  In2.Cu w0.2: v1(105.5,152.48) 117.7,152.48 122.9,157.68 v1(137.7,157.68)
/USART1_TX_GPS1: length 144.1
  Top w0.2: J21.2 136.55,157.63 135.7,158.48 v1(134.8,158.48) ; v1(76,109.88) 76,100.82 77.85,98.97 77.85,78.24 79.66,76.43 80.95,76.43
  In1.Cu w0.2: v1(103.7,153.18) 98.4,153.18 96.6,151.38 96.6,141.65 99.89,138.35 99.89,133.48 97,130.58 97,117.88 89,109.88 v1(76,109.88)